# KiCad board helios-panel.kicad_pcb (continued)
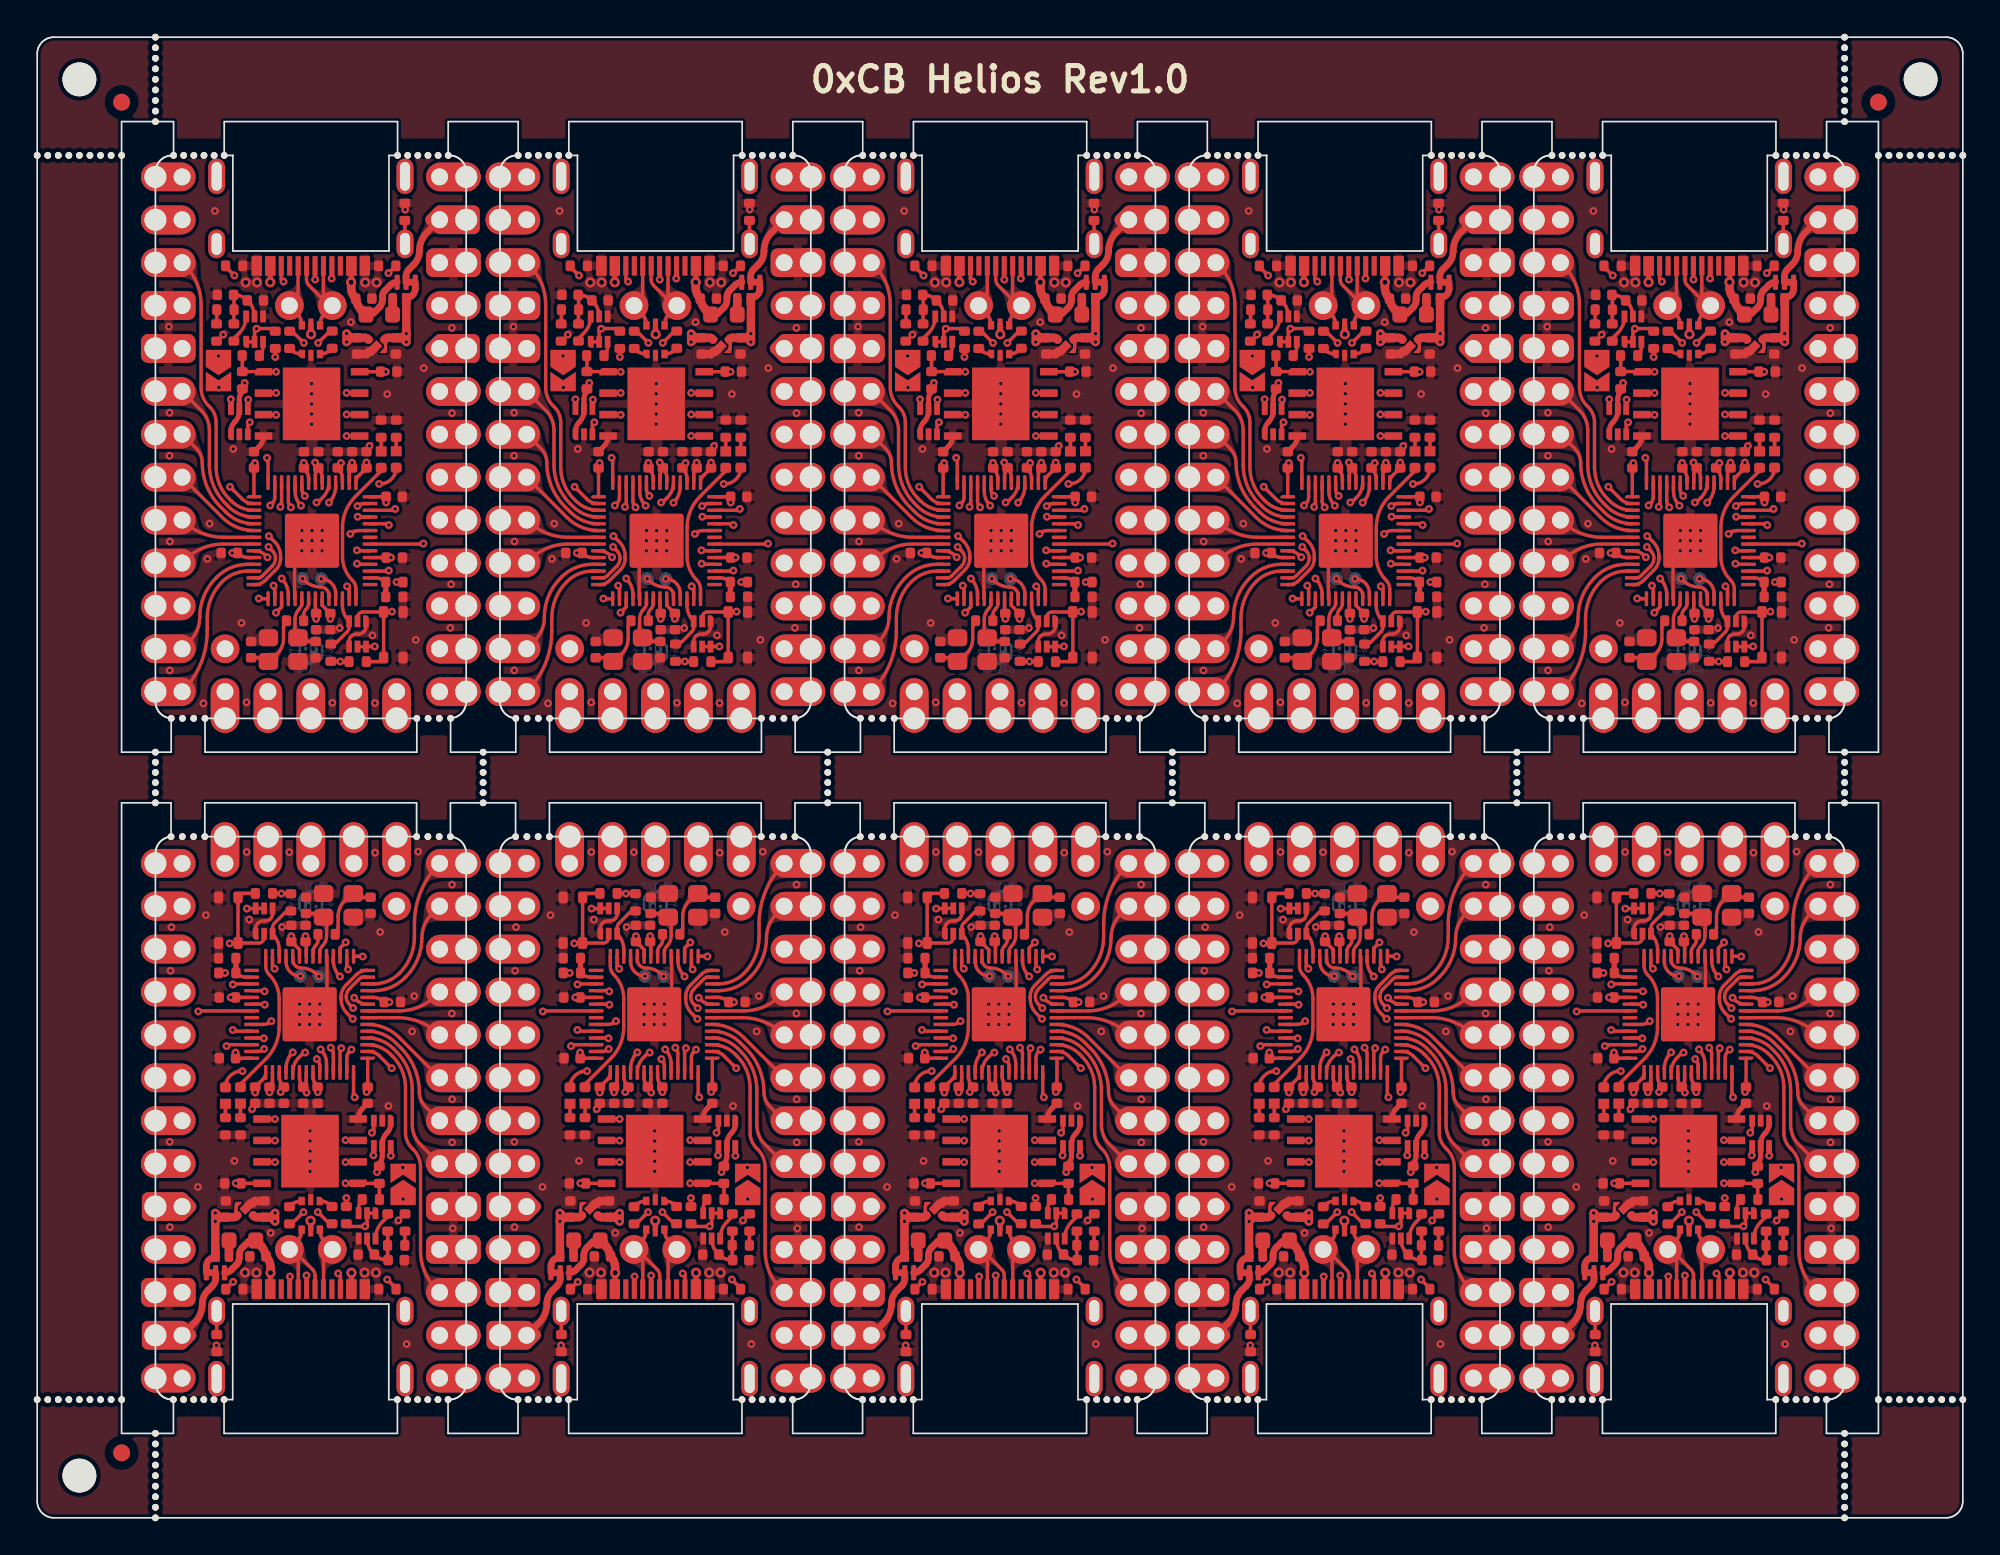
[diagram p0: board, top side]
## Placement (name value [footprint] x y rotation side) (continued)
R4#8  51K  [R_0402_1005Metric]  61.56 17.48 270 top
R4#9  51K  [R_0402_1005Metric]  81.95 17.48 270 top
R4#10  51K  [R_0402_1005Metric]  102.36 17.48 270 top
R5  51K  [R_0402_1005Metric]  41.66 16.13 0 top
R5#2  51K  [R_0402_1005Metric]  21.26 16.13 0 top
R5#3  51K  [R_0402_1005Metric]  92.75 71.53 180 top
R5#4  51K  [R_0402_1005Metric]  62.06 16.13 0 top
R5#5  51K  [R_0402_1005Metric]  102.86 16.13 0 top
R5#6  51K  [R_0402_1005Metric]  82.45 16.13 0 top
R5#7  51K  [R_0402_1005Metric]  11.14 71.53 180 top
R5#8  51K  [R_0402_1005Metric]  31.55 71.53 180 top
R5#9  51K  [R_0402_1005Metric]  51.94 71.53 180 top
R5#10  51K  [R_0402_1005Metric]  72.34 71.53 180 top
R6  51K  [R_0402_1005Metric]  21.78 17.48 90 top
R6#2  51K  [R_0402_1005Metric]  42.18 17.48 90 top
R6#3  51K  [R_0402_1005Metric]  62.58 17.48 90 top
R6#4  51K  [R_0402_1005Metric]  82.98 17.48 90 top
R6#5  51K  [R_0402_1005Metric]  103.38 17.48 90 top
R6#6  51K  [R_0402_1005Metric]  10.62 70.17 270 top
R6#7  51K  [R_0402_1005Metric]  31.02 70.17 270 top
R6#8  51K  [R_0402_1005Metric]  51.42 70.17 270 top
R6#9  51K  [R_0402_1005Metric]  71.82 70.17 270 top
R6#10  51K  [R_0402_1005Metric]  92.22 70.17 270 top
R7  5k1  [R_0402_1005Metric]  41.12 74.12 0 top
R7#2  5k1  [R_0402_1005Metric]  20.73 74.12 0 top
R7#3  5k1  [R_0402_1005Metric]  52.47 13.54 180 top
R7#4  5k1  [R_0402_1005Metric]  81.92 74.12 0 top
R7#5  5k1  [R_0402_1005Metric]  61.53 74.12 0 top
R7#6  5k1  [R_0402_1005Metric]  102.33 74.12 0 top
R7#7  5k1  [R_0402_1005Metric]  32.08 13.54 180 top
R7#8  5k1  [R_0402_1005Metric]  11.68 13.54 180 top
R7#9  5k1  [R_0402_1005Metric]  72.88 13.54 180 top
R7#10  5k1  [R_0402_1005Metric]  93.28 13.54 180 top
R8  5k1  [R_0402_1005Metric]  11.66 74.12 180 top
R8#2  5k1  [R_0402_1005Metric]  32.06 74.12 180 top
R8#3  5k1  [R_0402_1005Metric]  52.47 74.12 180 top
R8#4  5k1  [R_0402_1005Metric]  72.86 74.12 180 top
R8#5  5k1  [R_0402_1005Metric]  102.33 13.54 0 top
R8#6  5k1  [R_0402_1005Metric]  93.27 74.12 180 top
R8#7  5k1  [R_0402_1005Metric]  20.73 13.54 0 top
R8#8  5k1  [R_0402_1005Metric]  41.13 13.54 0 top
R8#9  5k1  [R_0402_1005Metric]  61.53 13.54 0 top
R8#10  5k1  [R_0402_1005Metric]  81.94 13.54 0 top
R9  1K  [R_0402_1005Metric]  12.64 68.81 0 top
R9#2  1K  [R_0402_1005Metric]  101.36 18.85 180 top
R9#3  1K  [R_0402_1005Metric]  33.05 68.81 0 top
R9#4  1K  [R_0402_1005Metric]  53.44 68.81 0 top
R9#5  1K  [R_0402_1005Metric]  19.76 18.85 180 top
R9#6  1K  [R_0402_1005Metric]  73.84 68.81 0 top
R9#7  1K  [R_0402_1005Metric]  40.16 18.85 180 top
R9#8  1K  [R_0402_1005Metric]  94.25 68.81 0 top
R9#9  1K  [R_0402_1005Metric]  60.56 18.85 180 top
R9#10  1K  [R_0402_1005Metric]  80.95 18.85 180 top
R10  1k  [R_0402_1005Metric]  21.26 64.48 90 top
R10#2  1k  [R_0402_1005Metric]  41.66 64.48 90 top
R10#3  1k  [R_0402_1005Metric]  72.34 23.18 270 top
R10#4  1k  [R_0402_1005Metric]  62.06 64.48 90 top
R10#5  1k  [R_0402_1005Metric]  51.94 23.18 270 top
R10#6  1k  [R_0402_1005Metric]  82.45 64.48 90 top
R10#7  1k  [R_0402_1005Metric]  102.86 64.48 90 top
R10#8  1k  [R_0402_1005Metric]  31.55 23.18 270 top
R10#9  1k  [R_0402_1005Metric]  92.75 23.18 270 top
R10#10  1k  [R_0402_1005Metric]  11.14 23.18 270 top
R11  10k  [R_0402_1005Metric]  12.14 67.35 90 top
R11#2  10k  [R_0402_1005Metric]  32.55 67.35 90 top
R11#3  10k  [R_0402_1005Metric]  52.94 67.35 90 top
R11#4  10k  [R_0402_1005Metric]  73.34 67.35 90 top
R11#5  10k  [R_0402_1005Metric]  93.75 67.35 90 top
R11#6  10k  [R_0402_1005Metric]  20.26 20.31 270 top
R11#7  10k  [R_0402_1005Metric]  40.66 20.31 270 top
R11#8  10k  [R_0402_1005Metric]  61.06 20.31 270 top
R11#9  10k  [R_0402_1005Metric]  81.45 20.31 270 top
R11#10  10k  [R_0402_1005Metric]  101.86 20.31 270 top
R12  27R  [R_0402_1005Metric]  99.06 17.92 270 top
R12#2  27R  [R_0402_1005Metric]  14.95 69.74 90 top
R12#3  27R  [R_0402_1005Metric]  35.34 69.74 90 top
R12#4  27R  [R_0402_1005Metric]  55.75 69.74 90 top
R12#5  27R  [R_0402_1005Metric]  76.14 69.74 90 top
R12#6  27R  [R_0402_1005Metric]  96.55 69.74 90 top
R12#7  27R  [R_0402_1005Metric]  17.45 17.92 270 top
R12#8  27R  [R_0402_1005Metric]  37.85 17.92 270 top
R12#9  27R  [R_0402_1005Metric]  58.25 17.92 270 top
R12#10  27R  [R_0402_1005Metric]  78.66 17.92 270 top
R13  27R  [R_0402_1005Metric]  99.06 69.75 90 top
R13#2  27R  [R_0402_1005Metric]  14.93 17.91 270 top
R13#3  27R  [R_0402_1005Metric]  35.34 17.91 270 top
R13#4  27R  [R_0402_1005Metric]  76.14 17.91 270 top
R13#5  27R  [R_0402_1005Metric]  96.53 17.91 270 top
R13#6  27R  [R_0402_1005Metric]  17.47 69.75 90 top
R13#7  27R  [R_0402_1005Metric]  37.87 69.75 90 top
R13#8  27R  [R_0402_1005Metric]  55.73 17.91 270 top
R13#9  27R  [R_0402_1005Metric]  58.27 69.75 90 top
R13#10  27R  [R_0402_1005Metric]  78.67 69.75 90 top
R14  1k  [R_0402_1005Metric]  15.27 53.11 0 top
R14#2  1k  [R_0402_1005Metric]  37.53 34.55 180 top
R14#3  1k  [R_0402_1005Metric]  98.73 34.55 180 top
R14#4  1k  [R_0402_1005Metric]  35.66 53.11 0 top
R14#5  1k  [R_0402_1005Metric]  17.13 34.55 180 top
R14#6  1k  [R_0402_1005Metric]  56.06 53.11 0 top
R14#7  1k  [R_0402_1005Metric]  76.47 53.11 0 top
R14#8  1k  [R_0402_1005Metric]  57.94 34.55 180 top
R14#9  1k  [R_0402_1005Metric]  96.86 53.11 0 top
R14#10  1k  [R_0402_1005Metric]  78.33 34.55 180 top
R15  1k  [R_0402_1005Metric]  81.56 64.48 90 top
R15#2  1k  [R_0402_1005Metric]  101.97 64.48 90 top
R15#3  1k  [R_0402_1005Metric]  32.44 23.18 270 top
R15#4  1k  [R_0402_1005Metric]  12.04 23.18 270 top
R15#5  1k  [R_0402_1005Metric]  52.83 23.18 270 top
R15#6  1k  [R_0402_1005Metric]  73.23 23.18 270 top
R15#7  1k  [R_0402_1005Metric]  20.37 64.48 90 top
R15#8  1k  [R_0402_1005Metric]  93.64 23.18 270 top
R15#9  1k  [R_0402_1005Metric]  40.77 64.48 90 top
R15#10  1k  [R_0402_1005Metric]  61.17 64.48 90 top
R16  5k1  [R_0402_1005Metric]  82.34 55.4 180 top
R16#2  5k1  [R_0402_1005Metric]  102.75 55.4 180 top
R16#3  5k1  [R_0402_1005Metric]  11.25 32.26 0 top
R16#4  5k1  [R_0402_1005Metric]  61.94 55.4 180 top
R16#5  5k1  [R_0402_1005Metric]  31.66 32.26 0 top
R16#6  5k1  [R_0402_1005Metric]  52.06 32.26 0 top
R16#7  5k1  [R_0402_1005Metric]  21.15 55.4 180 top
R16#8  5k1  [R_0402_1005Metric]  72.45 32.26 0 top
R16#9  5k1  [R_0402_1005Metric]  41.55 55.4 180 top
R16#10  5k1  [R_0402_1005Metric]  92.86 32.26 0 top
R17  10k  [R_0402_1005Metric]  61.94 54.52 0 top
R17#2  10k  [R_0402_1005Metric]  82.34 54.52 0 top
R17#3  10k  [R_0402_1005Metric]  102.75 54.52 0 top
R17#4  10k  [R_0402_1005Metric]  11.25 33.13 180 top
R17#5  10k  [R_0402_1005Metric]  31.66 33.13 180 top
R17#6  10k  [R_0402_1005Metric]  52.06 33.13 180 top
R17#7  10k  [R_0402_1005Metric]  41.55 54.52 0 top
R17#8  10k  [R_0402_1005Metric]  72.45 33.13 180 top
R17#9  10k  [R_0402_1005Metric]  92.86 33.13 180 top
R17#10  10k  [R_0402_1005Metric]  21.15 54.52 0 top
REF**  -  [NPTH]  8.07 7 0 top
REF**#2  -  [NPTH]  50.73 47.33 0 top
REF**#3  -  [NPTH]  72.28 80.66 0 top
REF**#4  -  [NPTH]  29.67 47.33 0 top
REF**#5  -  [NPTH]  28.47 7 0 top
REF**#6  -  [NPTH]  107 43.53 0 top
REF**#7  -  [NPTH]  64.61 47.33 0 top
REF**#8  -  [NPTH]  87.6 44.73 0 top
REF**#9  -  [NPTH]  107 42.93 0 top
REF**#10  -  [NPTH]  44.87 40.33 0 top
REF**#11  -  [NPTH]  70.47 7 0 top
REF**#12  -  [NPTH]  23.81 47.33 0 top
REF**#13  -  [NPTH]  23.8 40.33 0 top
REF**#14  -  [NPTH]  82.53 7 0 top
REF**#15  -  [NPTH]  67.2 43.53 0 top
REF**#16  -  [NPTH]  22.48 47.33 0 top
REF**#17  -  [NPTH]  105.92 7 0 top
REF**#18  -  [NPTH]  107 0 0 top
REF**#19  -  [NPTH]  0 80.66 0 top
REF**#20  -  [NPTH]  7 83.28 0 top
REF**#21  -  [NPTH]  87.6 44.13 0 top
REF**#22  -  [NPTH]  7.93 47.33 0 top
REF**#23  -  [NPTH]  83.73 80.66 0 top
REF**#24  -  [NPTH]  107 3.75 0 top
REF**#25  -  [NPTH]  30.88 80.66 0 top
REF**#26  -  [NPTH]  23.13 40.33 0 top
REF**#27  -  [NPTH]  104.06 40.33 0 top
REF**#28  -  [NPTH]  89.67 7 0 top
REF**#29  -  [NPTH]  5 80.66 0 top
REF**#30  -  [NPTH]  8.07 80.66 0 top
REF**#31  -  [NPTH]  3.75 7 0 top
REF**#32  -  [NPTH]  51.88 80.66 0 top
REF**#33  -  [NPTH]  24.48 47.33 0 top
REF**#34  -  [NPTH]  24.34 80.66 0 top
REF**#35  -  [NPTH]  62.12 7 0 top
REF**#36  -  [NPTH]  21.33 7 0 top
REF**#37  -  [NPTH]  71.08 80.66 0 top
REF**#38  -  [NPTH]  3.75 80.66 0 top
REF**#39  -  [NPTH]  102.92 7 0 top
REF**#40  -  [NPTH]  109 80.66 0 top
REF**#41  -  [NPTH#2]  2.5 85.16 0 top
REF**#42  -  [NPTH#2]  111.5 85.16 0 top
REF**#43  -  [NPTH]  104.08 47.33 0 top
REF**#44  -  [NPTH]  114 7 0 top
REF**#45  -  [NPTH]  91.53 40.33 0 top
REF**#46  -  [NPTH]  87.6 43.53 0 top
REF**#47  -  [NPTH]  4.38 80.66 0 top
REF**#48  -  [NPTH]  7 5 0 top
REF**#49  -  [NPTH]  107 83.28 0 top
REF**#50  -  [NPTH]  69.28 80.66 0 top
REF**#51  -  [NPTH]  48.86 7 0 top
REF**#52  -  [NPTH]  50.06 7 0 top
REF**#53  -  [NPTH]  51.86 7 0 top
REF**#54  -  [NPTH]  69.79 40.33 0 top
REF**#55  -  [NPTH]  69.14 47.33 0 top
REF**#56  -  [NPTH]  84.92 7 0 top
REF**#57  -  [NPTH]  107 45.33 0 top
REF**#58  -  [NPTH]  42.34 80.66 0 top
REF**#59  -  [NPTH]  71.06 7 0 top
REF**#60  -  [NPTH]  90.2 47.33 0 top
REF**#61  -  [NPTH]  7 87.66 0 top
REF**#62  -  [NPTH]  7 3.75 0 top
REF**#63  -  [NPTH]  71.14 47.33 0 top
REF**#64  -  [NPTH]  51.28 80.66 0 top
REF**#65  -  [NPTH]  9.93 47.33 0 top
REF**#66  -  [NPTH]  7 86.41 0 top
REF**#67  -  [NPTH]  9.27 7 0 top
REF**#68  -  [NPTH]  113.38 7 0 top
REF**#69  -  [NPTH]  85.01 47.33 0 top
REF**#70  -  [NPTH]  105.4 40.33 0 top
REF**#71  -  [NPTH]  85.53 7 0 top
REF**#72  -  [NPTH]  43.54 47.33 0 top
REF**#73  -  [NPTH#2]  2.5 2.5 0 top
REF**#74  -  [NPTH]  70.46 40.33 0 top
REF**#75  -  [NPTH]  7 42.33 0 top
REF**#76  -  [NPTH]  46.8 42.33 0 top
REF**#77  -  [NPTH]  104.74 47.33 0 top
REF**#78  -  [NPTH]  42.94 80.66 0 top
REF**#79  -  [NPTH]  44.21 47.33 0 top
REF**#80  -  [NPTH]  7 0.62 0 top
REF**#81  -  [NPTH]  70.47 80.66 0 top
REF**#82  -  [NPTH]  50.67 7 0 top
REF**#83  -  [NPTH]  110.88 7 0 top
REF**#84  -  [NPTH]  105.33 80.66 0 top
REF**#85  -  [NPTH]  83.67 47.33 0 top
REF**#86  -  [NPTH]  48.72 40.33 0 top
REF**#87  -  [NPTH]  104.14 80.66 0 top
REF**#88  -  [NPTH]  106.08 47.33 0 top
REF**#89  -  [NPTH]  7.93 40.33 0 top
REF**#90  -  [NPTH]  46.8 42.93 0 top
REF**#91  -  [NPTH]  1.88 80.66 0 top
REF**#92  -  [NPTH]  26.4 42.33 0 top
REF**#93  -  [NPTH]  107 44.13 0 top
REF**#94  -  [NPTH]  21.94 80.66 0 top
REF**#95  -  [NPTH]  7 0 0 top
REF**#96  -  [NPTH]  64.53 80.66 0 top
REF**#97  -  [NPTH]  90.19 40.33 0 top
REF**#98  -  [NPTH]  29.66 7 0 top
REF**#99  -  [NPTH]  42.92 7 0 top
REF**#100  -  [NPTH]  107 84.53 0 top
REF**#101  -  [NPTH]  9.93 40.33 0 top
REF**#102  -  [NPTH]  105.33 7 0 top
REF**#103  -  [NPTH]  105.41 47.33 0 top
REF**#104  -  [NPTH]  111.5 7 0 top
REF**#105  -  [NPTH]  28.33 40.33 0 top
REF**#106  -  [NPTH]  0.62 7 0 top
REF**#107  -  [NPTH]  82.53 80.66 0 top
REF**#108  -  [NPTH]  109 7 0 top
REF**#109  -  [NPTH]  7 1.88 0 top
REF**#110  -  [NPTH]  0 7 0 top
REF**#111  -  [NPTH]  46.8 45.33 0 top
REF**#112  -  [NPTH]  91.47 80.66 0 top
REF**#113  -  [NPTH]  103.53 7 0 top
REF**#114  -  [NPTH]  0.62 80.66 0 top
REF**#115  -  [NPTH]  24.33 7 0 top
REF**#116  -  [NPTH]  63.94 47.33 0 top
REF**#117  -  [NPTH]  21.92 7 0 top
REF**#118  -  [NPTH]  92.67 7 0 top
REF**#119  -  [NPTH]  107 87.03 0 top
REF**#120  -  [NPTH]  29.08 80.66 0 top
REF**#121  -  [NPTH]  63.92 7 0 top
REF**#122  -  [NPTH]  42.88 47.33 0 top
REF**#123  -  [NPTH]  109.62 80.66 0 top
REF**#124  -  [NPTH]  29.06 7 0 top
REF**#125  -  [NPTH]  63.33 7 0 top
REF**#126  -  [NPTH]  7 4.38 0 top
REF**#127  -  [NPTH]  22.52 7 0 top
REF**#128  -  [NPTH]  107 85.16 0 top
REF**#129  -  [NPTH]  106.06 40.33 0 top
REF**#130  -  [NPTH]  26.4 43.53 0 top
REF**#131  -  [NPTH]  21.34 80.66 0 top
REF**#132  -  [NPTH]  112.12 7 0 top
REF**#133  -  [NPTH]  23.73 7 0 top
REF**#134  -  [NPTH]  7 3.12 0 top
REF**#135  -  [NPTH]  105.94 80.66 0 top
REF**#136  -  [NPTH]  113.38 80.66 0 top
REF**#137  -  [NPTH]  102.94 80.66 0 top
REF**#138  -  [NPTH]  107 1.88 0 top
REF**#139  -  [NPTH]  7 85.16 0 top
REF**#140  -  [NPTH]  63.28 47.33 0 top
REF**#141  -  [NPTH]  65.27 40.33 0 top
REF**#142  -  [NPTH]  83.12 7 0 top
REF**#143  -  [NPTH]  67.2 45.33 0 top
REF**#144  -  [NPTH]  92.06 7 0 top
REF**#145  -  [NPTH]  107 5 0 top
REF**#146  -  [NPTH]  5 7 0 top
REF**#147  -  [NPTH]  30.87 7 0 top
REF**#148  -  [NPTH]  30.34 47.33 0 top
REF**#149  -  [NPTH]  112.75 7 0 top
REF**#150  -  [NPTH]  7 82.66 0 top
REF**#151  -  [NPTH]  85 40.33 0 top
REF**#152  -  [NPTH]  90.87 47.33 0 top
REF**#153  -  [NPTH]  50.07 47.33 0 top
REF**#154  -  [NPTH]  107 3.12 0 top
REF**#155  -  [NPTH]  26.4 44.13 0 top
REF**#156  -  [NPTH]  90.28 80.66 0 top
REF**#157  -  [NPTH]  26.4 42.93 0 top
REF**#158  -  [NPTH]  9.27 47.33 0 top
REF**#159  -  [NPTH]  103.53 80.66 0 top
REF**#160  -  [NPTH]  67.2 42.93 0 top
REF**#161  -  [NPTH]  89.67 80.66 0 top
REF**#162  -  [NPTH]  44.2 40.33 0 top
REF**#163  -  [NPTH]  7 87.03 0 top
REF**#164  -  [NPTH]  44.12 7 0 top
REF**#165  -  [NPTH]  7 83.91 0 top
REF**#166  -  [NPTH]  10.46 7 0 top
REF**#167  -  [NPTH]  7 44.13 0 top
REF**#168  -  [NPTH]  50.72 40.33 0 top
REF**#169  -  [NPTH]  28.99 40.33 0 top
REF**#170  -  [NPTH]  31.48 80.66 0 top
REF**#171  -  [NPTH]  23.14 47.33 0 top
REF**#172  -  [NPTH]  1.25 7 0 top
REF**#173  -  [NPTH]  2.5 80.66 0 top
REF**#174  -  [NPTH]  11.07 80.66 0 top
REF**#175  -  [NPTH]  3.12 7 0 top
REF**#176  -  [NPTH]  92.08 80.66 0 top
REF**#177  -  [NPTH]  22.47 40.33 0 top
REF**#178  -  [NPTH]  85.53 80.66 0 top
REF**#179  -  [NPTH]  67.2 42.33 0 top
REF**#180  -  [NPTH]  64.6 40.33 0 top
REF**#181  -  [NPTH]  84.33 40.33 0 top
REF**#182  -  [NPTH]  85.67 40.33 0 top
REF**#183  -  [NPTH]  8.68 80.66 0 top
REF**#184  -  [NPTH]  49.47 7 0 top
REF**#185  -  [NPTH]  44.88 47.33 0 top
REF**#186  -  [NPTH]  2.5 7 0 top
REF**#187  -  [NPTH]  114 80.66 0 top
REF**#188  -  [NPTH]  8.66 7 0 top
REF**#189  -  [NPTH]  42.33 7 0 top
REF**#190  -  [NPTH]  8.6 47.33 0 top
REF**#191  -  [NPTH]  62.72 7 0 top
REF**#192  -  [NPTH]  71.67 7 0 top
REF**#193  -  [NPTH]  89.53 47.33 0 top
REF**#194  -  [NPTH]  50.67 80.66 0 top
REF**#195  -  [NPTH]  7 45.33 0 top
REF**#196  -  [NPTH]  4.38 7 0 top
REF**#197  -  [NPTH]  107 42.33 0 top
REF**#198  -  [NPTH]  72.27 7 0 top
REF**#199  -  [NPTH]  41.73 7 0 top
REF**#200  -  [NPTH]  111.5 80.66 0 top
REF**#201  -  [NPTH]  84.34 47.33 0 top
REF**#202  -  [NPTH]  48.73 47.33 0 top
REF**#203  -  [NPTH]  28.48 80.66 0 top
REF**#204  -  [Fiducial]  5 3.85 0 top
REF**#205  -  [NPTH]  1.88 7 0 top
REF**#206  -  [NPTH]  10.48 80.66 0 top
REF**#207  -  [NPTH]  9.27 80.66 0 top
REF**#208  -  [NPTH]  51.27 7 0 top
REF**#209  -  [NPTH]  31.47 7 0 top
REF**#210  -  [NPTH]  87.6 45.33 0 top
REF**#211  -  [NPTH]  62.14 80.66 0 top
REF**#212  -  [NPTH]  48.88 80.66 0 top
REF**#213  -  [NPTH]  87.6 42.33 0 top
REF**#214  -  [NPTH]  69.12 40.33 0 top
REF**#215  -  [NPTH]  104.72 7 0 top
REF**#216  -  [NPTH]  7 84.53 0 top
REF**#217  -  [NPTH]  107 4.38 0 top
REF**#218  -  [NPTH]  65.14 80.66 0 top
REF**#219  -  [NPTH]  28.34 47.33 0 top
REF**#220  -  [NPTH]  69.8 47.33 0 top
REF**#221  -  [NPTH]  107 0.62 0 top
REF**#222  -  [NPTH]  71.67 80.66 0 top
REF**#223  -  [NPTH]  44.13 80.66 0 top
REF**#224  -  [NPTH]  90.88 80.66 0 top
REF**#225  -  [NPTH]  30.33 40.33 0 top
REF**#226  -  [NPTH]  92.67 80.66 0 top
REF**#227  -  [NPTH]  110.25 80.66 0 top
REF**#228  -  [NPTH]  65.28 47.33 0 top
REF**#229  -  [NPTH]  63.27 40.33 0 top
REF**#230  -  [NPTH]  83.72 7 0 top
REF**#231  -  [Fiducial]  5 83.81 0 top
REF**#232  -  [NPTH]  107 87.66 0 top
REF**#233  -  [NPTH]  107 1.25 0 top
REF**#234  -  [NPTH]  29.66 40.33 0 top
REF**#235  -  [NPTH]  104.73 40.33 0 top
REF**#236  -  [NPTH]  83.67 40.33 0 top
REF**#237  -  [NPTH]  84.33 80.66 0 top
REF**#238  -  [NPTH]  67.2 44.73 0 top
REF**#239  -  [NPTH]  83.14 80.66 0 top
REF**#240  -  [NPTH]  62.73 80.66 0 top
REF**#241  -  [NPTH]  26.4 44.73 0 top
REF**#242  -  [NPTH]  69.86 7 0 top
REF**#243  -  [NPTH]  29.67 80.66 0 top
REF**#244  -  [NPTH]  9.26 40.33 0 top
REF**#245  -  [Fiducial]  109 83.81 0 top
REF**#246  -  [NPTH]  23.12 7 0 top
REF**#247  -  [NPTH]  49.39 40.33 0 top
REF**#248  -  [NPTH]  67.2 44.13 0 top
REF**#249  -  [NPTH]  30.27 7 0 top
REF**#250  -  [NPTH]  46.8 44.73 0 top
REF**#251  -  [NPTH]  23.13 80.66 0 top
REF**#252  -  [NPTH]  30.27 80.66 0 top
REF**#253  -  [NPTH]  90.27 7 0 top
REF**#254  -  [NPTH]  87.6 42.93 0 top
REF**#255  -  [NPTH]  9.88 80.66 0 top
REF**#256  -  [NPTH]  50.06 40.33 0 top
REF**#257  -  [NPTH]  63.33 80.66 0 top
REF**#258  -  [NPTH]  44.73 80.66 0 top
REF**#259  -  [NPTH]  7 2.5 0 top
REF**#260  -  [NPTH]  109.62 7 0 top
REF**#261  -  [NPTH]  69.88 80.66 0 top
REF**#262  -  [NPTH]  43.52 7 0 top
REF**#263  -  [NPTH]  104.73 80.66 0 top
REF**#264  -  [NPTH]  64.53 7 0 top
REF**#265  -  [NPTH]  9.86 7 0 top
REF**#266  -  [NPTH]  107 44.73 0 top
REF**#267  -  [NPTH]  110.88 80.66 0 top
REF**#268  -  [NPTH]  107 86.41 0 top
REF**#269  -  [NPTH]  107 83.91 0 top
REF**#270  -  [NPTH]  85.67 47.33 0 top
REF**#271  -  [NPTH]  49.4 47.33 0 top
REF**#272  -  [NPTH]  91.47 7 0 top
REF**#273  -  [NPTH]  112.12 80.66 0 top
REF**#274  -  [NPTH]  8.59 40.33 0 top
REF**#275  -  [NPTH]  107 85.78 0 top
REF**#276  -  [NPTH]  91.53 47.33 0 top
REF**#277  -  [NPTH]  50.08 80.66 0 top
REF**#278  -  [NPTH]  24.47 40.33 0 top
REF**#279  -  [NPTH]  84.33 7 0 top
REF**#280  -  [NPTH]  26.4 45.33 0 top
REF**#281  -  [NPTH]  7 44.73 0 top
REF**#282  -  [NPTH]  7 43.53 0 top
REF**#283  -  [NPTH]  104.12 7 0 top
REF**#284  -  [NPTH]  41.73 80.66 0 top
REF**#285  -  [NPTH]  29 47.33 0 top
REF**#286  -  [NPTH]  42.87 40.33 0 top
REF**#287  -  [NPTH]  112.75 80.66 0 top
REF**#288  -  [NPTH]  110.25 7 0 top
REF**#289  -  [NPTH]  70.47 47.33 0 top
REF**#290  -  [NPTH]  7 42.93 0 top
REF**#291  -  [NPTH]  84.94 80.66 0 top
REF**#292  -  [NPTH]  1.25 80.66 0 top
REF**#293  -  [NPTH]  90.86 40.33 0 top
REF**#294  -  [NPTH]  22.53 80.66 0 top
REF**#295  -  [NPTH]  69.27 7 0 top
REF**#296  -  [NPTH]  43.53 40.33 0 top
REF**#297  -  [NPTH]  11.07 7 0 top
REF**#298  -  [NPTH]  65.12 7 0 top
REF**#299  -  [NPTH]  63.94 80.66 0 top
REF**#300  -  [NPTH]  46.8 43.53 0 top
REF**#301  -  [NPTH]  23.73 80.66 0 top
REF**#302  -  [NPTH]  63.93 40.33 0 top
REF**#303  -  [NPTH]  107 2.5 0 top
REF**#304  -  [NPTH]  3.12 80.66 0 top
REF**#305  -  [NPTH]  7 85.78 0 top
REF**#306  -  [NPTH]  7 1.25 0 top
REF**#307  -  [NPTH]  71.12 40.33 0 top
REF**#308  -  [NPTH]  89.53 40.33 0 top
REF**#309  -  [NPTH]  44.73 7 0 top
REF**#310  -  [NPTH]  107 82.66 0 top
REF**#311  -  [NPTH]  46.8 44.13 0 top
REF**#312  -  [NPTH]  90.86 7 0 top
REF**#313  -  [NPTH]  49.47 80.66 0 top
REF**#314  -  [NPTH]  43.53 80.66 0 top
REF**#315  -  [Fiducial]  5 3.85 0 bottom
REF**#316  -  [Fiducial]  5 83.81 0 bottom
REF**#317  -  [Fiducial]  109 83.81 0 bottom
REF**#318  -  [LOGO]  16.2 51.32 180 bottom
REF**#319  -  [LOGO]  36.6 51.32 180 bottom
REF**#320  -  [LOGO]  36.59 36.34 0 bottom
REF**#321  -  [LOGO]  57 36.34 0 bottom
REF**#322  -  [LOGO]  77.39 36.34 0 bottom
REF**#323  -  [LOGO]  57 51.32 180 bottom
REF**#324  -  [LOGO]  77.41 51.32 180 bottom
REF**#325  -  [LOGO]  97.81 51.32 180 bottom
REF**#326  -  [LOGO]  16.2 36.34 0 bottom
REF**#327  -  [LOGO]  97.8 36.34 0 bottom
SW1  SWITCH  [1.9x2.8mm SW]  41.48 52.28 270 top
SW1#2  SWITCH  [1.9x2.8mm SW]  31.72 35.38 90 top
SW1#3  SWITCH  [1.9x2.8mm SW]  52.11 35.38 90 top
SW1#4  SWITCH  [1.9x2.8mm SW]  61.89 52.28 270 top
SW1#5  SWITCH  [1.9x2.8mm SW]  72.52 35.38 90 top
SW1#6  SWITCH  [1.9x2.8mm SW]  21.09 52.28 270 top
SW1#7  SWITCH  [1.9x2.8mm SW]  11.32 35.38 90 top
SW1#8  SWITCH  [1.9x2.8mm SW]  92.92 35.38 90 top
SW1#9  SWITCH  [1.9x2.8mm SW]  82.28 52.28 270 top
SW1#10  SWITCH  [1.9x2.8mm SW]  102.69 52.28 270 top
TP1  CLK  [TestPoint_Pad_D0.8mm]  15.72 55.6 180 bottom
TP1#2  CLK  [TestPoint_Pad_D0.8mm]  36.12 55.6 180 bottom
TP1#3  CLK  [TestPoint_Pad_D0.8mm]  56.52 55.6 180 bottom
TP1#4  CLK  [TestPoint_Pad_D0.8mm]  76.92 55.6 180 bottom
TP1#5  CLK  [TestPoint_Pad_D0.8mm]  97.31 55.6 180 bottom
TP1#6  CLK  [TestPoint_Pad_D0.8mm]  16.69 32.06 0 bottom
TP1#7  CLK  [TestPoint_Pad_D0.8mm]  37.09 32.06 0 bottom
TP1#8  CLK  [TestPoint_Pad_D0.8mm]  57.48 32.06 0 bottom
TP1#9  CLK  [TestPoint_Pad_D0.8mm]  77.89 32.06 0 bottom
TP1#10  CLK  [TestPoint_Pad_D0.8mm]  98.28 32.06 0 bottom
TP2  DIO  [TestPoint_Pad_D0.8mm]  76.78 32.07 0 bottom
TP2#2  DIO  [TestPoint_Pad_D0.8mm]  97.19 32.07 0 bottom
TP2#3  DIO  [TestPoint_Pad_D0.8mm]  16.81 55.59 180 bottom
TP2#4  DIO  [TestPoint_Pad_D0.8mm]  37.22 55.59 180 bottom
TP2#5  DIO  [TestPoint_Pad_D0.8mm]  57.61 55.59 180 bottom
TP2#6  DIO  [TestPoint_Pad_D0.8mm]  78.02 55.59 180 bottom
TP2#7  DIO  [TestPoint_Pad_D0.8mm]  98.42 55.59 180 bottom
TP2#8  DIO  [TestPoint_Pad_D0.8mm]  15.59 32.07 0 bottom
TP2#9  DIO  [TestPoint_Pad_D0.8mm]  35.98 32.07 0 bottom
TP2#10  DIO  [TestPoint_Pad_D0.8mm]  56.39 32.07 0 bottom
U1  USBLC6-2P6  [SOT-666]  57 69.75 90 top
U1#2  USBLC6-2P6  [SOT-666]  77.41 69.75 90 top
U1#3  USBLC6-2P6  [SOT-666]  97.8 17.91 270 top
U1#4  USBLC6-2P6  [SOT-666]  97.81 69.75 90 top
U1#5  USBLC6-2P6  [SOT-666]  36.59 17.91 270 top
U1#6  USBLC6-2P6  [SOT-666]  16.2 17.91 270 top
U1#7  USBLC6-2P6  [SOT-666]  57 17.91 270 top
U1#8  USBLC6-2P6  [SOT-666]  77.39 17.91 270 top
U1#9  USBLC6-2P6  [SOT-666]  16.2 69.75 90 top
U1#10  USBLC6-2P6  [SOT-666]  36.6 69.75 90 top
U2  TLV75533PDQNR  [X2SON-4]  81.28 69.38 0 top
U2#2  TLV75533PDQNR  [X2SON-4]  60.89 69.38 0 top
U2#3  TLV75533PDQNR  [X2SON-4]  53.11 18.27 180 top
U2#4  TLV75533PDQNR  [X2SON-4]  20.09 69.38 0 top
U2#5  TLV75533PDQNR  [X2SON-4]  32.72 18.27 180 top
U2#6  TLV75533PDQNR  [X2SON-4]  40.48 69.38 0 top
U2#7  TLV75533PDQNR  [X2SON-4]  93.92 18.27 180 top
U2#8  TLV75533PDQNR  [X2SON-4]  73.52 18.27 180 top
U2#9  TLV75533PDQNR  [X2SON-4]  12.32 18.27 180 top
U2#10  TLV75533PDQNR  [X2SON-4]  101.69 69.38 0 top
U3  -  [W25Q128JVPIQ]  16.16 21.71 180 top
U3#2  -  [W25Q128JVPIQ]  56.95 21.71 180 top
U3#3  -  [W25Q128JVPIQ]  97.75 21.71 180 top
U3#4  -  [W25Q128JVPIQ]  16.24 65.95 0 top
U3#5  -  [W25Q128JVPIQ]  36.65 65.95 0 top
U3#6  -  [W25Q128JVPIQ]  77.36 21.71 180 top
U3#7  -  [W25Q128JVPIQ]  36.55 21.71 180 top
U3#8  -  [W25Q128JVPIQ]  57.05 65.95 0 top
U3#9  -  [W25Q128JVPIQ]  77.44 65.95 0 top
U3#10  -  [W25Q128JVPIQ]  97.84 65.95 0 top
U4  RP2040  [RP2040-QFN-56]  97.73 29.81 180 top
U4#2  RP2040  [RP2040-QFN-56]  97.87 57.85 0 top
U4#3  RP2040  [RP2040-QFN-56]  57.07 57.85 0 top
U4#4  RP2040  [RP2040-QFN-56]  77.33 29.81 180 top
U4#5  RP2040  [RP2040-QFN-56]  77.47 57.85 0 top
U4#6  RP2040  [RP2040-QFN-56]  16.13 29.81 180 top
U4#7  RP2040  [RP2040-QFN-56]  16.27 57.85 0 top
U4#8  RP2040  [RP2040-QFN-56]  56.93 29.81 180 top
U4#9  RP2040  [RP2040-QFN-56]  36.67 57.85 0 top
U4#10  RP2040  [RP2040-QFN-56]  36.53 29.81 180 top
U5  74LVC1T45  [SOT-563]  11.97 64.9 90 top
U5#2  74LVC1T45  [SOT-563]  40.83 22.76 270 top
U5#3  74LVC1T45  [SOT-563]  32.37 64.9 90 top
U5#4  74LVC1T45  [SOT-563]  61.23 22.76 270 top
U5#5  74LVC1T45  [SOT-563]  81.63 22.76 270 top
U5#6  74LVC1T45  [SOT-563]  52.77 64.9 90 top
U5#7  74LVC1T45  [SOT-563]  20.43 22.76 270 top
U5#8  74LVC1T45  [SOT-563]  102.03 22.76 270 top
U5#9  74LVC1T45  [SOT-563]  73.17 64.9 90 top
U5#10  74LVC1T45  [SOT-563]  93.57 64.9 90 top
Y1  12MHz  [Crystal_SMD_2520-4Pin_2.5x2.0mm]  17.84 36.26 180 top
Y1#2  12MHz  [Crystal_SMD_2520-4Pin_2.5x2.0mm]  14.57 51.4 0 top
Y1#3  12MHz  [Crystal_SMD_2520-4Pin_2.5x2.0mm]  58.64 36.26 180 top
Y1#4  12MHz  [Crystal_SMD_2520-4Pin_2.5x2.0mm]  34.97 51.4 0 top
Y1#5  12MHz  [Crystal_SMD_2520-4Pin_2.5x2.0mm]  38.23 36.26 180 top
Y1#6  12MHz  [Crystal_SMD_2520-4Pin_2.5x2.0mm]  55.36 51.4 0 top
Y1#7  12MHz  [Crystal_SMD_2520-4Pin_2.5x2.0mm]  99.44 36.26 180 top
Y1#8  12MHz  [Crystal_SMD_2520-4Pin_2.5x2.0mm]  75.77 51.4 0 top
Y1#9  12MHz  [Crystal_SMD_2520-4Pin_2.5x2.0mm]  96.17 51.4 0 top
Y1#10  12MHz  [Crystal_SMD_2520-4Pin_2.5x2.0mm]  79.03 36.26 180 top

## Library data of the parts
C1 C1#2-C1#10 = -: Description: Unpolarized capacitor; JLC Basic: Y; LCSC: C23733; MPN : CL05A475MP5NRNC; Manufacturer: Samsung Electro-Mechanics; Substitute: Y
C2 C2#2-C2#10 C3 C3#2-C3#10 C4 C4#2-C4#10 C5 C5#2-C5#10 = -: Description: Unpolarized capacitor; JLC Basic: Y; LCSC: C15525; MPN : CL05A106MQ5NUNC; Manufacturer: Samsung Electro-Mechanics; Substitute: Y
C6 C6#2-C6#10 C11 C11#2-C11#10 C12 C12#2-C12#10 C13 C13#2-C13#10 C14 C14#2-C14#10 C15 C15#2-C15#10 C16 C16#2-C16#10 C17 C17#2-C17#10 C18 C18#2-C18#10 C19 C19#2-C19#10 = -: Description: Unpolarized capacitor; JLC Basic: Y; LCSC: C1525; MPN : CL05B104KO5NNNC; Manufacturer: Samsung Electro-Mechanics; Substitute: Y
C7 C7#2-C7#10 C8 C8#2-C8#10 = -: Description: Unpolarized capacitor; JLC Basic: Y; LCSC: C1548; MPN : 0402CG150J500NT; Manufacturer: FH(Guangdong Fenghua Advanced Tech); Substitute: Y
C9 C9#2-C9#10 C10 C10#2-C10#10 = -: Description: Unpolarized capacitor; JLC Basic: Y; LCSC: C52923; MPN : CL05A105KA5NQNC; Manufacturer: Samsung Electro-Mechanics; Substitute: Y
D1 D1#2-D1#10 = -: Description: Light emitting diode; JLC Basic: N; LCSC: C130719; MPN : NCD0402R1; Manufacturer: Foshan-NationStar-Optoelectronics; Substitute: Y
D2 D2#2-D2#10 = -: Description: Light emitting diode; JLC Basic: N; LCSC: C130724; MPN : NCD0402B1; Manufacturer: Foshan-NationStar-Optoelectronics; Substitute: Y
D3 D3#2-D3#10 = -: Description: Schottky diode; JLC Basic: N; JLCPCB_CORRECTION: 0; 0; 180; LCSC: C552820; MPN : PMEG2010BELD,315; Manufacturer: Nexperia; Substitute: N
F1 F1#2-F1#10 = -: Description: Resettable fuse, polymeric positive temperature coefficient, small symbol; JLC Basic: N; LCSC: C210357; MPN : MF-FSMF050X-2; Manufacturer: BOURNS; Substitute: Y
FB1 FB1#2-FB1#10 = -: Description: Ferrite bead, small symbol; JLC Basic: N; LCSC: C160977; MPN : BLM15PX601SN1D; Manufacturer: Murata Electronics; Substitute: Y
J1 J1#2-J1#10 = -: Description: USB 2.0-only Type-C Receptacle connector; JLC Basic: N; LCSC: C963373; MPN : GT-USB-7014C; Manufacturer: G-Switch; Substitute: N
J2 J2#2-J2#10 = -: Field5: RST; Field6: B5; Field7: D5; Field8: C7; Field9: B4; Field10: VCC; Field11: B2; Field12: F1; Field13: B7; Field14: D2; Field15: D-; Field16: GND; Field17: D3; Field18: D6; Field19: E6; Field20: C6; Field21: VBUS; Field22: D+; Field23: D1; Field24: F4; Field25: F5; Field26: B6; Field27: D4; Field28: D0; Field29: B1; Field30: D7; Field31: E0; Field32: F0; Field33: F6; Field34: B0; Field35: B3; Field36: F7
JP1 JP1#2-JP1#10 = -: Description: Solder Jumper, 2-pole, open
JP2 JP2#2-JP2#10 = -: Description: Jumper, 3-pole, pins 1+2 closed/bridged
Q1 Q1#2-Q1#10 Q2 Q2#2-Q2#10 = -: Description: 0.7A Id, 20V Vds, Dual N-Channel MOSFET, 300mOhm Ron, SC-70-6; JLC Basic: N; JLCPCB_CORRECTION: 0; 0; 180; LCSC: C504145; MPN : 2N7002V; Manufacturer: Diodes Incorporated; Substitute: Y
R1 R1#2-R1#10 R2 R2#2-R2#10 R3 R3#2-R3#10 R11 R11#2-R11#10 R17 R17#2-R17#10 = -: Description: Resistor; JLC Basic: Y; LCSC: C25744; MPN : 0402WGF1002TCE; Manufacturer: UNI-ROYAL(Uniroyal Elec); Substitute: Y
R4 R4#2-R4#10 R5 R5#2-R5#10 R6 R6#2-R6#10 = -: Description: Resistor; JLC Basic: Y; LCSC: C25794; MPN : 0402WGF5102TCE; Manufacturer: UNI-ROYAL(Uniroyal Elec); Substitute: Y
R7 R7#2-R7#10 R8 R8#2-R8#10 R16 R16#2-R16#10 = -: Description: Resistor; JLC Basic: Y; LCSC: C25905; MPN : 0402WGF5101TCE; Manufacturer: UNI-ROYAL(Uniroyal Elec); Substitute: Y
R9 R9#2-R9#10 R10 R10#2-R10#10 R14 R14#2-R14#10 R15 R15#2-R15#10 = -: Description: Resistor; JLC Basic: Y; LCSC: C11702; MPN : 0402WGF1001TCE; Manufacturer: UNI-ROYAL(Uniroyal Elec); Substitute: Y
R12 R12#2-R12#10 R13 R13#2-R13#10 = -: Description: Resistor; JLC Basic: N; LCSC: C25100; MPN : 0402WGF270JTCE; Manufacturer: UNI-ROYAL(Uniroyal Elec); Substitute: Y
SW1 SW1#2-SW1#10 = -: Description: Push button switch, generic, two pins; JLC Basic: N; LCSC: C589221; MPN : ST-1194; Manufacturer: RI SHENG; Substitute: N
TP1 TP1#2-TP1#10 TP2 TP2#2-TP2#10 = -: Description: test point
U1 U1#2-U1#10 = -: Description: Very low capacitance ESD protection diode, 2 data-line, SOT-666; JLC Basic: N; JLCPCB_CORRECTION: 0; 0; 270; LCSC: C2827693; Manufacturer: TECH PUBLIC; Substitute: N
U2 U2#2-U2#10 = -: Description: 3.3v LDO; JLC Basic: N; LCSC: C2861882; Manufacturer: Texas Instruments; Substitute: N
U3 U3#2-U3#10 = -: Description: 16MB flash; JLC Basic: N; JLCPCB_CORRECTION: 0; 0; 270; LCSC: C190862; Manufacturer: Winbond; Substitute: N
U4 U4#2-U4#10 = -: JLC Basic: N; LCSC: C2040; Manufacturer: Raspberry Pi; Substitute: N
U5 U5#2-U5#10 = -: Description: Single-Bit Dual-Supply Bus Transceiver With Configurable Voltage Translation and 3-State Outputs, SOT-563; JLC Basic: N; JLCPCB_CORRECTION: 0; 0; 270; LCSC: C352970; MPN : SN74LVC1T45DRLR; Manufacturer: Texas Instruments; Substitute: N
Y1 Y1#2-Y1#10 = -: Description: Four pin crystal, GND on pins 2 and 4, small symbol; JLC Basic: N; LCSC: C2149204; MPN : 2TJ412000HYGBC; Manufacturer: JYJE; Substitute: N

## Footprints (pads in the part's own frame, mm; a bottom-side part is the same pattern mirrored in y, then rotated)
1.9x2.8mm SW
  rrect 0.7x0.55 smd: 1(-1.35,0.575) 1(1.35,0.575) 2(-1.35,-0.575) 2(1.35,-0.575)
C_0402_1005Metric
  rrect 0.56x0.62 smd: 1(-0.48,0) 2(0.48,0)
Crystal_SMD_2520-4Pin_2.5x2.0mm
  rrect 1.15x1 smd: 1(-0.875,-0.7) 2(0.875,-0.7) 3(0.875,0.7) 4(-0.875,0.7)
D_0402_1005Metric
  rect 0.59x0.64 smd: 1(-0.485,0)
  rrect 0.59x0.64 smd: 2(0.485,0)
Fiducial
  round 1 smd: (0,0)
Fuse_0603_1608Metric
  rrect 0.875x0.95 smd: 1(-0.787,0) 2(0.787,0)
GT-USB-7014C
  rect 0.6x1.15 smd: A1(-3.175,2.65) A4(-2.375,2.65) A9(2.425,2.65) A12(3.225,2.65) B1(3.225,2.65) B4(2.425,2.65) B9(-2.375,2.65) B12(-3.175,2.65)
  rect 0.3x1.15 smd: A5(-1.225,2.65) A6(-0.225,2.65) A7(0.275,2.65) A8(1.275,2.65) B5(1.775,2.65) B6(0.775,2.65) B7(-0.725,2.65) B8(-1.725,2.65)
  oval 1x1.7 hole 0.6x1.3: S1(-5.55,1.35) S2(5.6,1.35)
  oval 1x2.1 hole 0.6x1.7: S3(5.6,-2.65) S4(-5.55,-2.65)
helios
  round 1.7 hole 1.3: 1(-9.2,16.51) 2(-9.2,13.97) 3(-9.2,11.43) 6(-9.2,3.81) 7(-9.2,1.27) 8(-9.2,-1.27) 9(-9.2,-3.81) 10(-9.2,-6.35) 11(-9.2,-8.89) 12(-9.2,-11.43) 13(-9.2,-13.97) 14(-5.08,-15.55) 19(9.2,-13.97) 20(9.2,-11.43) 21(9.2,-8.89) 22(9.2,-6.35) 23(9.2,-3.81) 24(9.2,-1.27) 25(9.2,1.27) 26(9.2,3.81) 28(9.2,8.89) 31(9.2,16.51)
  oval 3.23x1.7 hole 1: 1(-7.62,16.51) 3(-7.62,11.43) 6(-7.62,3.81) 7(-7.62,1.27) 8(-7.62,-1.27) 9(-7.62,-3.81) 10(-7.62,-6.35) 11(-7.62,-8.89) 12(-7.62,-11.43) 13(-7.62,-13.97) 19(7.62,-13.97) 22(7.62,-6.35) 23(7.62,-3.81) 24(7.62,-1.27) 25(7.62,1.27)
  oval 3.23x1.72 hole 1: 2(-7.62,13.97) 20(7.62,-11.43)
  rrect 1.7x1.7 hole 1.3: 4(-9.2,8.89) 5(-9.2,6.35) 29(9.2,11.43)
  rrect 3.23x1.7 hole 1: 4(-7.62,8.89) 5(-7.62,6.35) 29(7.62,11.43)
  oval 1.7x3.23 hole 1: 14(-5.08,-13.97) 15(-2.54,-13.97) 16(0,-13.97) 17(2.54,-13.97) 18(5.08,-13.97)
  oval 1.7x1.7 hole 1.3: 15(-2.54,-15.55) 16(0,-15.55) 17(2.54,-15.55) 18(5.08,-15.55)
  oval 3.23x1.71 hole 1: 21(7.62,-8.89) 26(7.62,3.81) 31(7.62,16.51)
  rrect 1.4x1.4 hole 1 rot 45: 27(7.62,6.35) 30(7.62,13.97)
  rrect 2.7x1.7 hole 1.3: 27(9.2,6.35) 30(9.2,13.97)
  oval 3x1.7 hole 1: 28(7.62,8.89)
  round 1.7 hole 1: 32(-5.075,-11.43) 33(1.27,8.89) 34(-1.27,8.89)
